# Altium PCB BTF16_2.PcbDoc (part 1 of 2)
Units mm, origin at the board's own origin, x right, y up, seen from the top; angles counter-clockwise.
Board outline 52.07 x 57.15 mm, 2 copper layers (Top Layer, Bottom Layer); 273 components, 134 nets, 1710 pads, 0 vias.
Unrouted connection lines stored in the file: 1540.
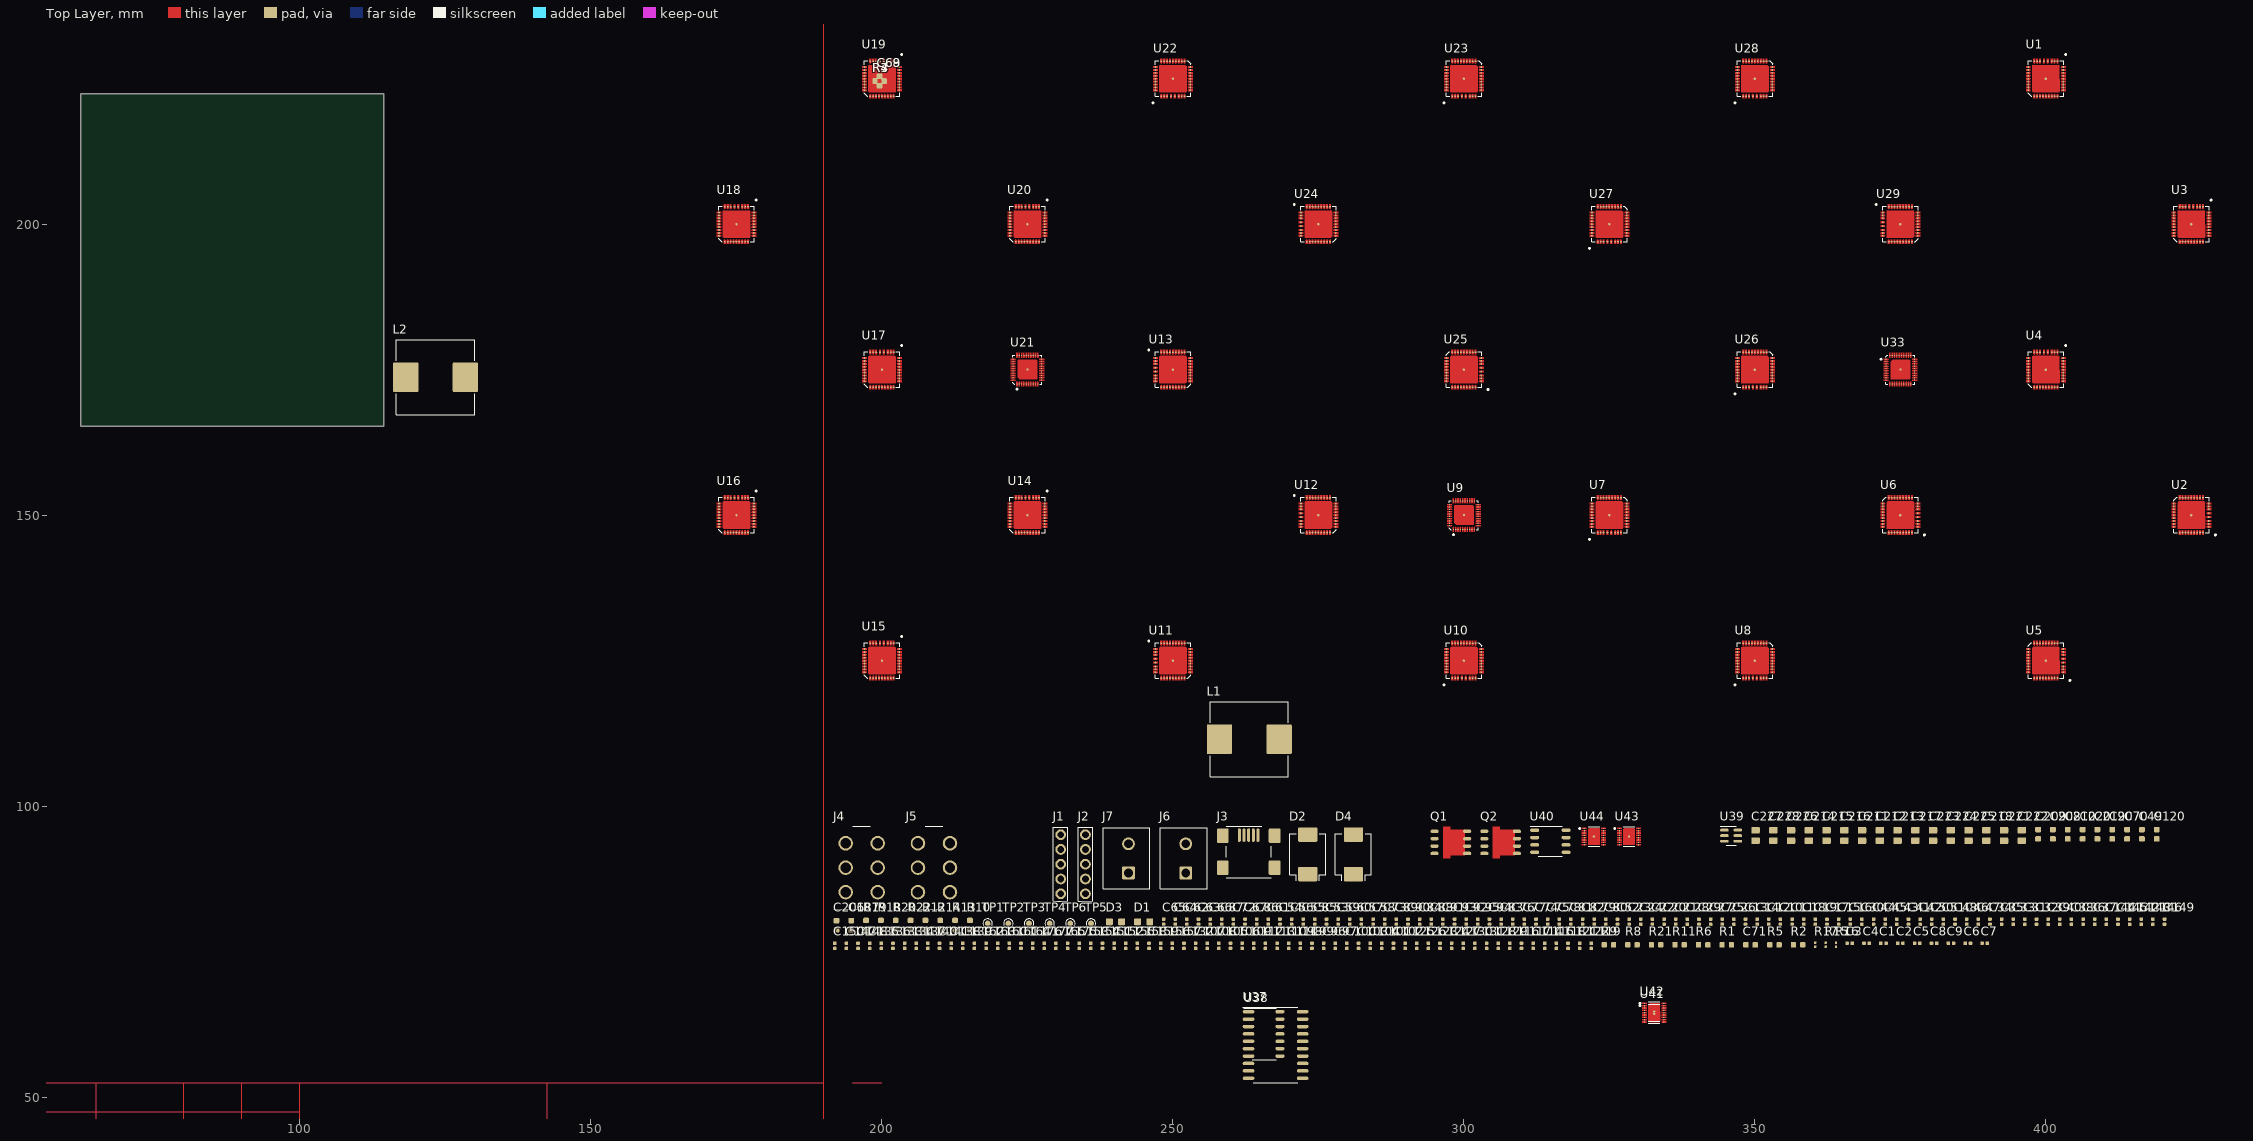
[diagram p0: Top Layer view]
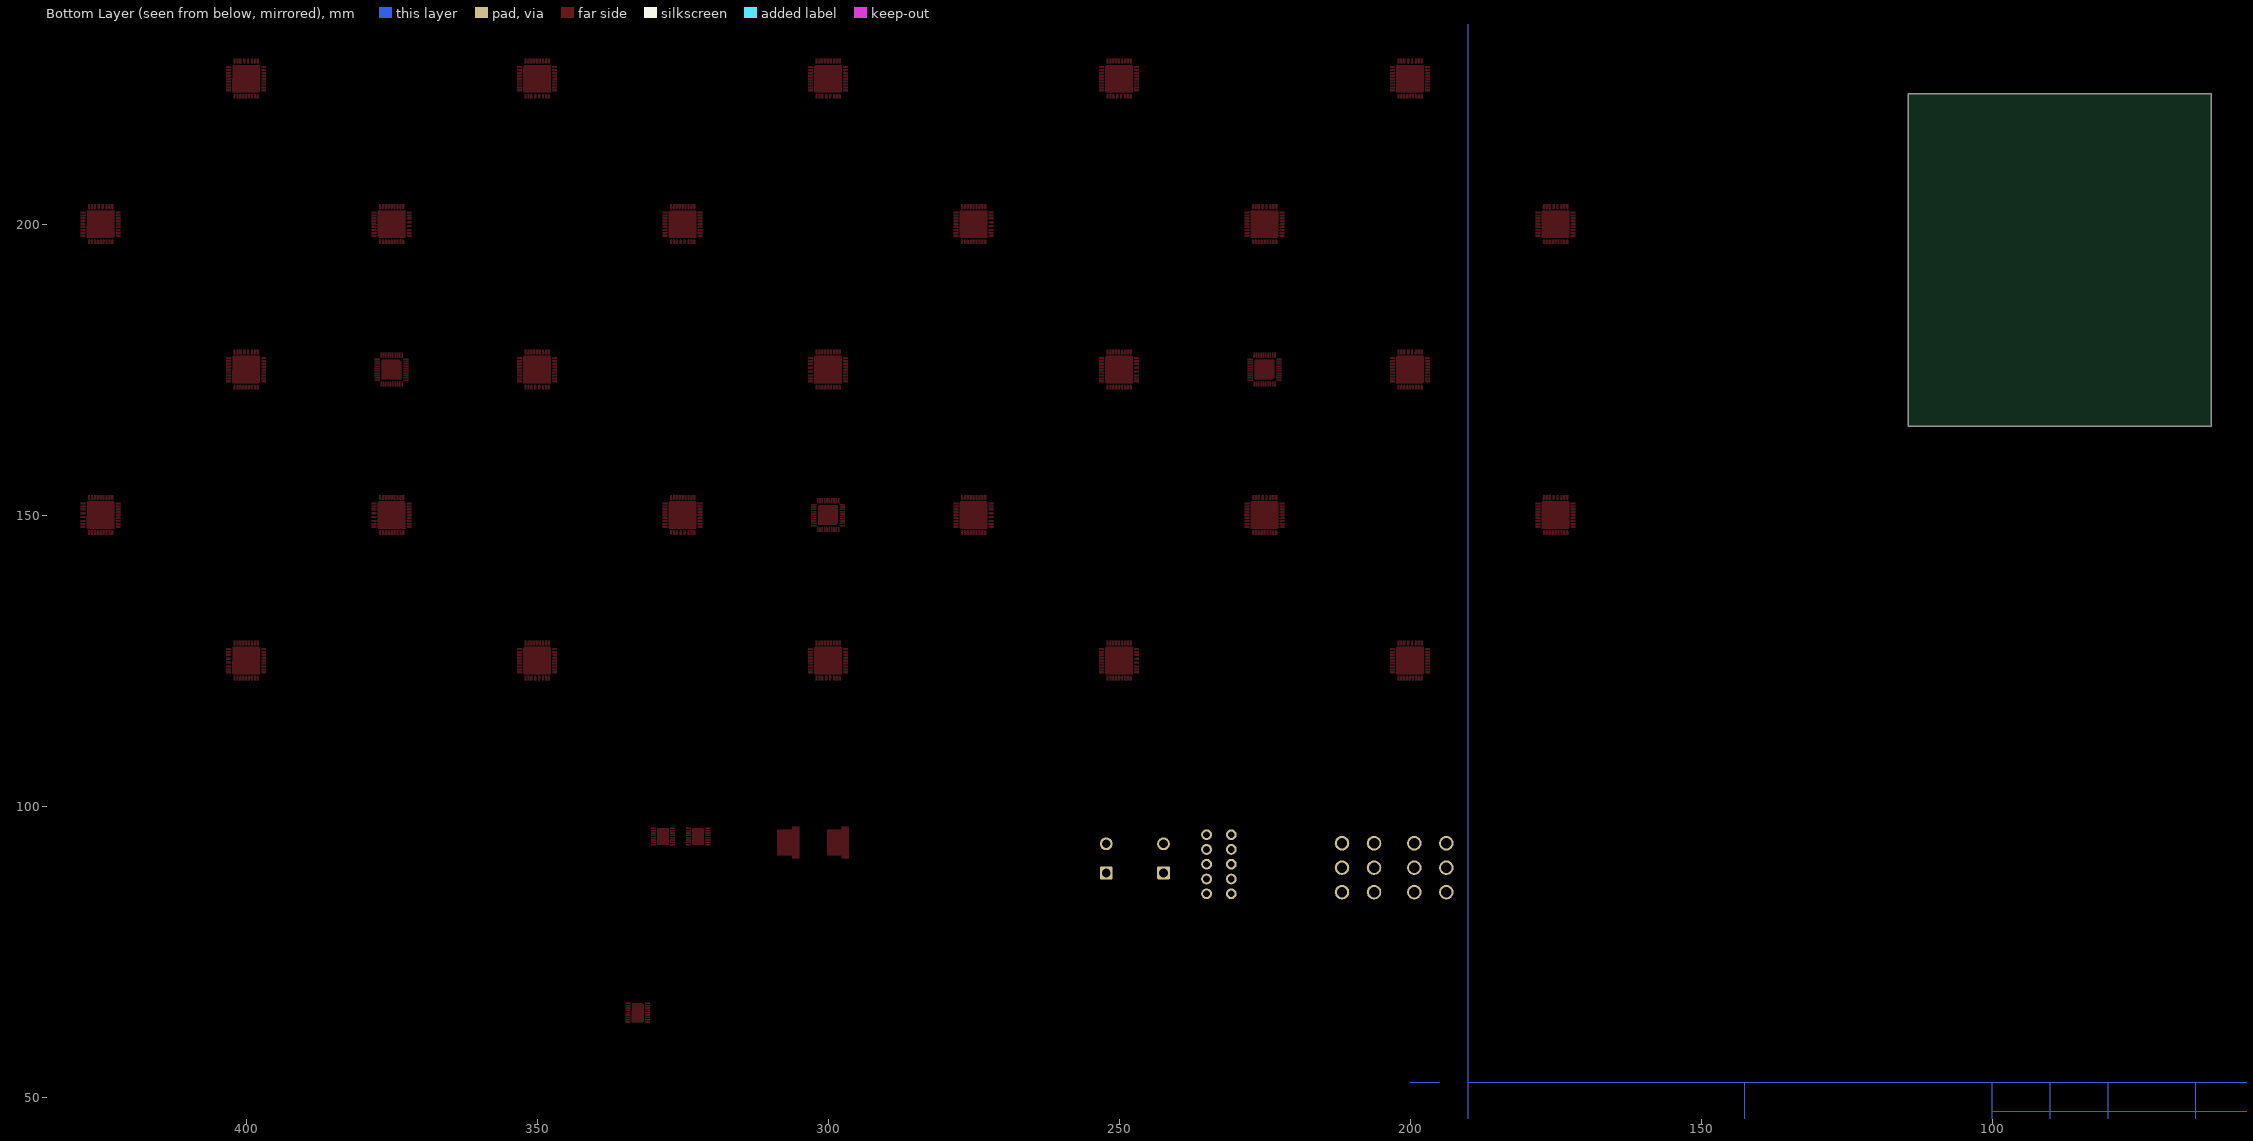
[diagram p1: Bottom Layer view, seen from below]

## Layer stack, top to bottom
Top Layer: signal copper 0.0356
Dielectric: core 0.32, FR-4, Dk 4.8
Bottom Layer: signal copper 0.0356

## Board outline
62.359,165.269 62.359,222.419 114.429,222.419 114.429,165.269

## Design rules (kind name [scope] priority, off if disabled: settings)
Clearance [All] p1: gap=0.2
ComponentClearance [All] p1: gap=0.5 collisioncheckmode=3 verticalgap=1 showdistances=FALSE
HoleSize [All] p1: absolutevalues=TRUE maxlimit=5 minlimit=0.1 maxpercent=80.000 minpercent=20.000
HoleToHoleClearance [All] p1: gap=0.4 allowstackedmicrovias=TRUE
MinimumAnnularRing [All] p1: minimumring=0.2
MinimumSolderMaskSliver [All] p1: minsoldermaskwidth=0.1
PlaneClearance [All] p1: clearance=0.5
PlaneConnect [All] p1: planeconnectstyle=Relief reliefexpansion=0.5 reliefentries=4 reliefconductorwidth=0.25 reliefairgap=0.25
PolygonConnect "Via Connect Style" [IsVia] p1: connectstyle=Direct reliefconductorwidth=0.254 reliefentries=4 polygonreliefangle="90 Angle" airgapwidth=0.254
PolygonConnect "Flooded Pads Top" [(InPadClass('Flooded Top')) vs OnLayer('L1')] p2: connectstyle=Direct reliefconductorwidth=0.254 reliefentries=4 polygonreliefangle="90 Angle" airgapwidth=0.254
PolygonConnect "Flooded Pads Bott" [(InPadClass('Flooded Bott')) vs OnLayer('L2')] p3: connectstyle=Direct reliefconductorwidth=0.254 reliefentries=4 polygonreliefangle="90 Angle" airgapwidth=0.254
PolygonConnect PolygonConnect_0.3 [All] p4: connectstyle=Relief reliefconductorwidth=0.3 reliefentries=4 polygonreliefangle="90 Angle" airgapwidth=0.3
RoutingCorners [All] p1: cornerstyle=45-Degree minsetback=1 maxsetback=2
RoutingVias [InNetClass('All Nets')] p1: holewidth=0.3 width=0.65 viastyle="Through Hole" minholewidth=0.25 minwidth=0.6 maxholewidth=0.5 maxwidth=0.95
SilkToSilkClearance [All] p1: silktosilkclearance=0
SilkToSolderMaskClearance SilkscreenOverComponentPads [IsPad] p1: minsilkscreentomaskgap=0.2 clearancetoexposedcopper=TRUE
SolderMaskExpansion [All] p1: expansion=0.1
Width "Power Nets" [InNetClass('Power')] p1: maxlimit=10 minlimit=0.5 preferedwidth=0.6
Width [InNetClass('All Nets')] p2: maxlimit=0.5 minlimit=0.2 preferedwidth=0.4
19 further rules are at their usual default settings.

## Classes and differential pairs
component class Block: C68 C69 C70 C71 Q1 Q2 R1 R2 R3 R4 R5 R6 R7 R8 R9 R10 TP1 TP2 TP3 TP4
component class U_ASIC_1: C72 C73 C74 C75 C76 C77 C78 C79 C80 C81 C82 C83 C84 C85 C86 C87 C88 C89 C90 C91 C92 C93 C94 C95 C96 C97 C98 C99 C100 C101 C102 C103 C104 C105 C106 C107 C108 C109 C110 C111 C112 C113 C114 C115 C116 C117 C118 C119 C120 C121 C122 C123 C124 C125 C126 C127 C128 C129 C130 C131 C132 C133 C134 C135 C136 C137 C138 U13 U14 U15 U16 U17 U18 U19 U20 U21 U22 U23 U24
component class U_ASIC_2: C139 C140 C141 C142 C143 C144 C145 C146 C147 C148 C149 C150 C151 C152 C153 C154 C155 C156 C157 C158 C159 C160 C161 C162 C163 C164 C165 C175 C176 C177 C187 U25 U26 U27 U28 U29 U33
component class U_ASIC_3: C1 C2 C3 C4 C5 C6 C7 C8 C9 C10 C11 C12 C13 C14 C15 C16 C17 C18 C19 C20 C21 C22 C23 C24 C25 C26 C27 C28 C29 C30 C31 C32 C33 C34 C35 C36 C37 C38 C39 C40 C41 C42 C43 C44 C45 C46 C47 C48 C49 C50 C51 C52 C53 C54 C55 C56 C57 C58 C59 C60 C61 C62 C63 C64 C65 C66 C67 U1 U2 U3 U4 U5 U6 U7 U8 U9 U10 U11 U12
component class U_MCU: C206 C207 C208 D1 D2 D3 D4 J1 J2 J3 J4 J5 J6 J7 R11 R12 R13 R14 R15 R16 R17 R18 TP5 TP6 U37 U38 U39 U40
component class U_POWER: C209 C210 C211 C212 C213 C214 C215 C216 C217 C218 C219 C220 C221 C222 C223 C224 C225 C226 C227 C228 L1 L2 R19 R20 R21 R22 U41 U42 U43 U44

## Components (designator, comment, footprint, x,y, rotation, side; value= is the part's Value field where it differs from the comment)
C1 "C" SMD_0402_CAPC1005X70N 372.1,76.446 r0 top
C2 "C" SMD_0402_CAPC1005X70N 375,76.446 r0 top
C3 "C" SMD_0402_CAPC1005X70N 366.3,76.446 r0 top
C4 "C" SMD_0402_CAPC1005X70N 369.2,76.446 r0 top
C5 "C" SMD_0402_CAPC1005X70N 377.9,76.446 r0 top
C6 "C" SMD_0402_CAPC1005X70N 386.6,76.446 r0 top
C7 "C" SMD_0402_CAPC1005X70N 389.5,76.446 r0 top
C8 "C" SMD_0402_CAPC1005X70N 380.8,76.446 r0 top
C9 "C" SMD_0402_CAPC1005X70N 383.7,76.446 r0 top
C10 "C" SMD_0402_CAPC1005X70N 354.4,80.146 r90 top
C11 "C" SMD_0402_CAPC1005X70N 356.4,80.146 r90 top
C12 "C" SMD_0402_CAPC1005X70N 352.4,80.146 r90 top
C13 "C" SMD_0402_CAPC1005X70N 348.4,80.146 r90 top
C14 "C" SMD_0402_CAPC1005X70N 350.4,80.146 r90 top
C15 "C" SMD_0402_CAPC1005X70N 364.4,80.146 r90 top
C16 "C" SMD_0402_CAPC1005X70N 366.4,80.146 r90 top
C17 "C" SMD_0402_CAPC1005X70N 362.4,80.146 r90 top
C18 "C" SMD_0402_CAPC1005X70N 358.4,80.146 r90 top
C19 "C" SMD_0402_CAPC1005X70N 360.4,80.146 r90 top
C20 "C" SMD_0402_CAPC1005X70N 334.4,80.146 r90 top
C21 "C" SMD_0402_CAPC1005X70N 336.4,80.146 r90 top
C22 "C" SMD_0402_CAPC1005X70N 332.4,80.146 r90 top
C23 "C" SMD_0402_CAPC1005X70N 328.4,80.146 r90 top
C24 "C" SMD_0402_CAPC1005X70N 330.4,80.146 r90 top
C25 "C" SMD_0402_CAPC1005X70N 344.4,80.146 r90 top
C26 "C" SMD_0402_CAPC1005X70N 346.4,80.146 r90 top
C27 "C" SMD_0402_CAPC1005X70N 342.4,80.146 r90 top
C28 "C" SMD_0402_CAPC1005X70N 338.4,80.146 r90 top
C29 "C" SMD_0402_CAPC1005X70N 340.4,80.146 r90 top
C30 "C" SMD_0402_CAPC1005X70N 368.4,80.146 r90 top
C31 "C" SMD_0402_CAPC1005X70N 396.4,80.146 r90 top
C32 "C" SMD_0402_CAPC1005X70N 398.4,80.146 r90 top
C33 "C" SMD_0402_CAPC1005X70N 394.4,80.146 r90 top
C34 "C" SMD_0402_CAPC1005X70N 390.4,80.146 r90 top
C35 "C" SMD_0402_CAPC1005X70N 392.4,80.146 r90 top
C36 "C" SMD_0402_CAPC1005X70N 406.4,80.146 r90 top
C37 "C" SMD_0402_CAPC1005X70N 408.4,80.146 r90 top
C38 "C" SMD_0402_CAPC1005X70N 404.4,80.146 r90 top
C39 "C" SMD_0402_CAPC1005X70N 400.4,80.146 r90 top
C40 "C" SMD_0402_CAPC1005X70N 402.4,80.146 r90 top
C41 "C" SMD_0402_CAPC1005X70N 376.4,80.146 r90 top
C42 "C" SMD_0402_CAPC1005X70N 378.4,80.146 r90 top
C43 "C" SMD_0402_CAPC1005X70N 374.4,80.146 r90 top
C44 "C" SMD_0402_CAPC1005X70N 370.4,80.146 r90 top
C45 "C" SMD_0402_CAPC1005X70N 372.4,80.146 r90 top
C46 "C" SMD_0402_CAPC1005X70N 386.4,80.146 r90 top
C47 "C" SMD_0402_CAPC1005X70N 388.4,80.146 r90 top
C48 "C" SMD_0402_CAPC1005X70N 384.4,80.146 r90 top
C49 "C" SMD_0603_CAPC1608X95N 416.52,95.171 r90 top
C50 "C" SMD_0402_CAPC1005X70N 380.4,80.146 r90 top
C51 "C" SMD_0402_CAPC1005X70N 382.4,80.146 r90 top
C52 "C" SMD_0402_CAPC1005X70N 326.4,80.146 r90 top
C53 "C" SMD_0402_CAPC1005X70N 276.4,80.146 r90 top
C54 "C" SMD_0402_CAPC1005X70N 268.4,80.146 r90 top
C55 "C" SMD_0402_CAPC1005X70N 272.4,80.146 r90 top
C56 "C" SMD_0402_CAPC1005X70N 270.4,80.146 r90 top
C57 "C" SMD_0402_CAPC1005X70N 282.4,80.146 r90 top
C58 "C" SMD_0402_CAPC1005X70N 284.4,80.146 r90 top
C59 "C" SMD_0402_CAPC1005X70N 278.4,80.146 r90 top
C60 "C" SMD_0402_CAPC1005X70N 280.4,80.146 r90 top
C61 "C" SMD_0402_CAPC1005X70N 266.4,80.146 r90 top
C62 "C" SMD_0402_CAPC1005X70N 252.4,80.146 r90 top
C63 "C" SMD_0402_CAPC1005X70N 254.4,80.146 r90 top
C64 "C" SMD_0402_CAPC1005X70N 250.4,80.146 r90 top
C65 "C" SMD_0402_CAPC1005X70N 248.4,80.146 r90 top
C66 "C" SMD_0402_CAPC1005X70N 256.4,80.146 r90 top
C67 "C" SMD_0402_CAPC1005X70N 262.4,80.146 r90 top
C68 "C" SMD_0603_CAPC1608X95N 199.6,224.6 r90 top
C69 "C" SMD_0603_CAPC1608X95N 199.6,224.6 r90 top
C70 "C" SMD_0603_CAPC1608X95N 413.97,95.171 r90 top
C71 "C" SMD_0603_CAPC1608X95N 349.275,76.171 r0 top
C72 "C" SMD_0402_CAPC1005X70N 260.4,80.146 r90 top
C73 "C" SMD_0402_CAPC1005X70N 286.4,80.146 r90 top
C74 "C" SMD_0402_CAPC1005X70N 312.4,80.146 r90 top
C75 "C" SMD_0402_CAPC1005X70N 314.4,80.146 r90 top
C76 "C" SMD_0402_CAPC1005X70N 308.4,80.146 r90 top
C77 "C" SMD_0402_CAPC1005X70N 310.4,80.146 r90 top
C78 "C" SMD_0402_CAPC1005X70N 316.4,80.146 r90 top
C79 "C" SMD_0402_CAPC1005X70N 322.4,80.146 r90 top
C80 "C" SMD_0402_CAPC1005X70N 324.4,80.146 r90 top
C81 "C" SMD_0402_CAPC1005X70N 318.4,80.146 r90 top
C82 "C" SMD_0402_CAPC1005X70N 320.4,80.146 r90 top
C83 "C" SMD_0402_CAPC1005X70N 306.4,80.146 r90 top
C84 "C" SMD_0402_CAPC1005X70N 292.4,80.146 r90 top
C85 "C" SMD_0402_CAPC1005X70N 274.4,80.146 r90 top
C86 "C" SMD_0402_CAPC1005X70N 264.4,80.146 r90 top
C87 "C" SMD_0402_CAPC1005X70N 258.4,80.146 r90 top
C88 "C" SMD_0402_CAPC1005X70N 294.4,80.146 r90 top
C89 "C" SMD_0402_CAPC1005X70N 288.4,80.146 r90 top
C90 "C" SMD_0402_CAPC1005X70N 290.4,80.146 r90 top
C91 "C" SMD_0402_CAPC1005X70N 296.4,80.146 r90 top
C92 "C" SMD_0402_CAPC1005X70N 300.4,80.146 r90 top
C93 "C" SMD_0402_CAPC1005X70N 298.4,80.146 r90 top
C94 "C" SMD_0402_CAPC1005X70N 304.4,80.146 r90 top
C95 "C" SMD_0402_CAPC1005X70N 302.4,80.146 r90 top
C96 "C" SMD_0402_CAPC1005X70N 275.9,75.996 r90 top
C97 "C" SMD_0402_CAPC1005X70N 277.9,75.996 r90 top
C98 "C" SMD_0402_CAPC1005X70N 271.9,75.996 r90 top
C99 "C" SMD_0402_CAPC1005X70N 273.9,75.996 r90 top
C100 "C" SMD_0402_CAPC1005X70N 279.9,75.996 r90 top
C101 "C" SMD_0402_CAPC1005X70N 285.9,75.996 r90 top
C102 "C" SMD_0402_CAPC1005X70N 287.9,75.996 r90 top
C103 "C" SMD_0402_CAPC1005X70N 281.9,75.996 r90 top
C104 "C" SMD_0402_CAPC1005X70N 283.9,75.996 r90 top
C105 "C" SMD_0402_CAPC1005X70N 257.9,75.996 r90 top
C106 "C" SMD_0402_CAPC1005X70N 259.9,75.996 r90 top
C107 "C" SMD_0402_CAPC1005X70N 253.9,75.996 r90 top
C108 "C" SMD_0402_CAPC1005X70N 255.9,75.996 r90 top
C109 "C" SMD_0402_CAPC1005X70N 261.9,75.996 r90 top
C110 "C" SMD_0402_CAPC1005X70N 267.9,75.996 r90 top
C111 "C" SMD_0402_CAPC1005X70N 269.9,75.996 r90 top
C112 "C" SMD_0402_CAPC1005X70N 263.9,75.996 r90 top
C113 "C" SMD_0402_CAPC1005X70N 265.9,75.996 r90 top
C114 "C" SMD_0402_CAPC1005X70N 311.9,75.996 r90 top
C115 "C" SMD_0402_CAPC1005X70N 313.9,75.996 r90 top
C116 "C" SMD_0402_CAPC1005X70N 307.9,75.996 r90 top
C117 "C" SMD_0402_CAPC1005X70N 309.9,75.996 r90 top
C118 "C" SMD_0402_CAPC1005X70N 315.9,75.996 r90 top
C119 "C" SMD_0402_CAPC1005X70N 321.9,75.996 r90 top
C120 "C" SMD_0603_CAPC1608X95N 419.07,95.171 r90 top
C121 "C" SMD_0402_CAPC1005X70N 317.9,75.996 r90 top
C122 "C" SMD_0402_CAPC1005X70N 319.9,75.996 r90 top
C123 "C" SMD_0402_CAPC1005X70N 293.9,75.996 r90 top
C124 "C" SMD_0402_CAPC1005X70N 295.9,75.996 r90 top
C125 "C" SMD_0402_CAPC1005X70N 289.9,75.996 r90 top
C126 "C" SMD_0402_CAPC1005X70N 291.9,75.996 r90 top
C127 "C" SMD_0402_CAPC1005X70N 297.9,75.996 r90 top
C128 "C" SMD_0402_CAPC1005X70N 303.9,75.996 r90 top
C129 "C" SMD_0402_CAPC1005X70N 305.9,75.996 r90 top
C130 "C" SMD_0402_CAPC1005X70N 299.9,75.996 r90 top
C131 "C" SMD_0402_CAPC1005X70N 301.9,75.996 r90 top
C132 "C" SMD_0402_CAPC1005X70N 251.9,75.996 r90 top
C133 "C" SMD_0402_CAPC1005X70N 201.9,75.996 r90 top
C134 "C" SMD_0402_CAPC1005X70N 203.9,75.996 r90 top
C135 "C" SMD_0402_CAPC1005X70N 197.9,75.996 r90 top
C136 "C" SMD_0402_CAPC1005X70N 199.9,75.996 r90 top
C137 "C" SMD_0402_CAPC1005X70N 205.9,75.996 r90 top
C138 "C" SMD_0402_CAPC1005X70N 211.9,75.996 r90 top
C139 "C" SMD_0402_CAPC1005X70N 213.9,75.996 r90 top
C140 "C" SMD_0402_CAPC1005X70N 207.9,75.996 r90 top
C141 "C" SMD_0402_CAPC1005X70N 209.9,75.996 r90 top
C142 "C" SMD_0402_CAPC1005X70N 414.4,80.146 r90 top
C143 "C" SMD_0402_CAPC1005X70N 416.4,80.146 r90 top
C144 "C" SMD_0402_CAPC1005X70N 410.4,80.146 r90 top
C145 "C" SMD_0402_CAPC1005X70N 412.4,80.146 r90 top
C146 "C" SMD_0402_CAPC1005X70N 418.4,80.146 r90 top
C147 "C" SMD_0402_CAPC1005X70N 193.9,75.996 r90 top
C148 "C" SMD_0402_CAPC1005X70N 195.9,75.996 r90 top
C149 "C" SMD_0402_CAPC1005X70N 420.4,80.146 r90 top
C150 "C" SMD_0402_CAPC1005X70N 191.9,75.996 r90 top
C151 "C" SMD_0402_CAPC1005X70N 237.9,75.996 r90 top
C152 "C" SMD_0402_CAPC1005X70N 239.9,75.996 r90 top
C153 "C" SMD_0402_CAPC1005X70N 233.9,75.996 r90 top
C154 "C" SMD_0402_CAPC1005X70N 235.9,75.996 r90 top
C155 "C" SMD_0402_CAPC1005X70N 241.9,75.996 r90 top
C156 "C" SMD_0402_CAPC1005X70N 247.9,75.996 r90 top
C157 "C" SMD_0402_CAPC1005X70N 249.9,75.996 r90 top
C158 "C" SMD_0402_CAPC1005X70N 243.9,75.996 r90 top
C159 "C" SMD_0402_CAPC1005X70N 245.9,75.996 r90 top
C160 "C" SMD_0402_CAPC1005X70N 219.9,75.996 r90 top
C161 "C" SMD_0402_CAPC1005X70N 221.9,75.996 r90 top
C162 "C" SMD_0402_CAPC1005X70N 215.9,75.996 r90 top
C163 "C" SMD_0402_CAPC1005X70N 217.9,75.996 r90 top
C164 "C" SMD_0402_CAPC1005X70N 223.9,75.996 r90 top
C165 "C" SMD_0402_CAPC1005X70N 229.9,75.996 r90 top
C175 "C" SMD_0402_CAPC1005X70N 231.9,75.996 r90 top
C176 "C" SMD_0402_CAPC1005X70N 225.9,75.996 r90 top
C177 "C" SMD_0402_CAPC1005X70N 227.9,75.996 r90 top
C187 "C" SMD_0603_CAPC1608X95N 194.725,79.521 r90 top
C206 "C" SMD_0603_CAPC1608X95N 192.175,79.521 r90 top
C207 "C" SMD_0603_CAPC1608X80N 411.42,95.171 r90 top
C208 "C" SMD_0603_CAPC1608X95N 401.22,95.171 r90 top
C209 "C" SMD_0603_CAPC1608X95N 398.67,95.171 r90 top
C210 "C" SMD_0603_CAPC1608X95N 403.77,95.171 r90 top
C211 "C" SMD_0805_CAPC2012X145N 368.42,94.971 r90 top
C212 "C" SMD_0805_CAPC2012X145N 371.47,94.971 r90 top
C213 "C" SMD_0805_CAPC2012X145N 374.52,94.971 r90 top
C214 "C" SMD_0805_CAPC2012X145N 359.27,94.971 r90 top
C215 "C" SMD_0805_CAPC2012X145N 362.32,94.971 r90 top
C216 "C" SMD_0805_CAPC2012X145N 365.37,94.971 r90 top
C217 "C" SMD_0805_CAPC2012X145N 377.57,94.971 r90 top
C218 "C" SMD_0805_CAPC2012X145N 389.77,94.971 r90 top
C219 "C" SMD_0603_CAPC1608X95N 408.87,95.171 r90 top
C220 "C" SMD_0603_CAPC1608X95N 406.32,95.171 r90 top
C221 "C" SMD_0805_CAPC2012X145N 392.82,94.971 r90 top
C222 "C" SMD_0805_CAPC2012X145N 395.87,94.971 r90 top
C223 "C" SMD_0805_CAPC2012X145N 380.62,94.971 r90 top
C224 "C" SMD_0805_CAPC2012X145N 383.67,94.971 r90 top
C225 "C" SMD_0805_CAPC2012X145N 386.72,94.971 r90 top
C226 "C" SMD_0805_CAPC2012X145N 356.22,94.971 r90 top
C227 "C" SMD_0805_CAPC2012X145N 350.12,94.971 r90 top
C228 "C" SMD_0805_CAPC2012X145N 353.17,94.971 r90 top
D1 "LED" SMD_LED2012X100N 244.975,80.121 r0 top
D2 "D_TVS_UNI" SMD_DO214AC_SMC 273.17,91.721 r90 top
D3 "LED" SMD_LED2012X100N 240.125,80.121 r0 top
D4 "D_TVS_UNI" SMD_DO214AC_SMC 281.02,91.721 r90 top
J1 "CON_5PINS" PTH_HDRV05W64P254_1X05 230.72,90.021 r90 top
J2 "CON_5PINS" PTH_HDRV05W64P254_1X05 234.97,90.021 r90 top
J3 "CON_USB_MINI_1" SMD_CON-CVILUX-CU04-SCM15B0 263.02,92.421 r0 top
J4 "CON_2ROWS_6PINS_1" PTH_CON_WR-MRC4-6P_S 196.525,89.421 r90 top
J5 "CON_2ROWS_6PINS_1" PTH_CON_WR-MRC4-6P_S 208.948,89.421 r90 top
J6 "CON_2PINS" PTH_HDRV02W11060P500_1X02 251.87,91.021 r90 top
J7 "CON_2PINS" PTH_HDRV02W11060P500_1X02 242.02,91.021 r90 top
L1 "470nH" SMT_INDM135130X800N 263.125,111.5 r0 top
L2 "470nH" SMT_INDM135130X800N 123.3,173.7 r0 top
Q1 "MOS_N_D1_S1S2S3G4D5D6D7D8" SMD_SOIC127P600X110-9AN 297.77,93.771 r0 top
Q2 "MOS_N_D1_S1S2S3G4D5D6D7D8" SMD_SOIC127P600X110-9AN 306.32,93.771 r0 top
R1 "R" SMD_0603_RESC1608X55N 345.175,76.171 r0 top
R2 "R" SMD_0603_RESC1608X55N 357.425,76.171 r0 top
R3 "R" SMD_0603_RESC1608X55N 199.6,224.6 r0 top
R4 "R" SMD_0603_RESC1608X55N 199.6,224.6 r0 top
R5 "R" SMD_0603_RESC1608X55N 353.375,76.171 r0 top
R6 "R" SMD_0603_RESC1608X55N 341.125,76.171 r0 top
R7 "R" SMD_0603_RESC1608X55N 199.6,224.6 r0 top
R8 "R" SMD_0603_RESC1608X55N 328.975,76.171 r0 top
R9 "R" SMD_0603_RESC1608X55N 324.925,76.171 r0 top
R10 "R" SMD_0603_RESC1608X55N 215.125,79.571 r90 top
R11 "R" SMD_0603_RESC1608X55N 337.075,76.171 r0 top
R12 "R" SMD_0603_RESC1608X55N 207.475,79.571 r90 top
R13 "R" SMD_0603_RESC1608X55N 212.575,79.571 r90 top
R14 "R" SMD_0603_RESC1608X55N 210.025,79.571 r90 top
R15 "R" SMD_0201_RESC0603X26N 362.15,76.196 r90 top
R16 "R" SMD_0201_RESC0603X26N 363.95,76.196 r90 top
R17 "R" SMD_0201_RESC0603X26N 360.35,76.196 r90 top
R18 "R" SMD_0603_RESC1608X55N 199.825,79.571 r90 top
R19 "R" SMD_0603_RESC1608X55N 197.275,79.571 r90 top
R20 "R" SMD_0603_RESC1608X55N 202.375,79.571 r90 top
R21 "R" SMD_0603_RESC1608X55N 333.025,76.171 r0 top
R22 "R" SMD_0603_RESC1608X55N 204.925,79.571 r90 top
TP1 "TEST_POINT_1" SMD_TP_100-254 218.175,79.821 r0 top
TP2 "TEST_POINT_1" SMD_TP_100-254 221.725,79.821 r0 top
TP3 "TEST_POINT_1" SMD_TP_100-254 225.275,79.821 r0 top
TP4 "TEST_POINT_1" SMD_TP_100-254 228.825,79.821 r0 top
TP5 "TEST_POINT_1" SMD_TP_100-254 235.925,79.821 r0 top
TP6 "TEST_POINT_1" SMD_TP_100-254 232.375,79.821 r0 top
U1 "IC_BITFURY16" SMD_QFN50P600X600X175-36AN 400,225 r90 top
U2 "IC_BITFURY16" SMD_QFN50P600X600X175-36AN 425,150 r0 top
U3 "IC_BITFURY16" SMD_QFN50P600X600X175-36AN 425,200 r90 top
U4 "IC_BITFURY16" SMD_QFN50P600X600X175-36AN 400,175 r90 top
U5 "IC_BITFURY16" SMD_QFN50P600X600X175-36AN 400,125 r0 top
U6 "IC_BITFURY16" SMD_QFN50P600X600X175-36AN 375,150 r0 top
U7 "IC_BITFURY16" SMD_QFN50P600X600X175-36AN 325,150 r270 top
U8 "IC_BITFURY16" SMD_QFN50P600X600X175-36AN 350,125 r270 top
U9 "IC_BTC250" SMD_QFN40P500X500X80-41N 300,150 r90 top
U10 "IC_BITFURY16" SMD_QFN50P600X600X175-36AN 300,125 r270 top
U11 "IC_BITFURY16" SMD_QFN50P600X600X175-36AN 250,125 r180 top
U12 "IC_BITFURY16" SMD_QFN50P600X600X175-36AN 275,150 r180 top
U13 "IC_BITFURY16" SMD_QFN50P600X600X175-36AN 250,175 r180 top
U14 "IC_BITFURY16" SMD_QFN50P600X600X175-36AN 225,150 r90 top
U15 "IC_BITFURY16" SMD_QFN50P600X600X175-36AN 200,125 r90 top
U16 "IC_BITFURY16" SMD_QFN50P600X600X175-36AN 175,150 r90 top
U17 "IC_BITFURY16" SMD_QFN50P600X600X175-36AN 200,175 r90 top
U18 "IC_BITFURY16" SMD_QFN50P600X600X175-36AN 175,200 r90 top
U19 "IC_BITFURY16" SMD_QFN50P600X600X175-36AN 200,225 r90 top
U20 "IC_BITFURY16" SMD_QFN50P600X600X175-36AN 225,200 r90 top
U21 "IC_BTC250" SMD_QFN40P500X500X80-41N 225,175 r90 top
U22 "IC_BITFURY16" SMD_QFN50P600X600X175-36AN 250,225 r270 top
U23 "IC_BITFURY16" SMD_QFN50P600X600X175-36AN 300,225 r270 top
U24 "IC_BITFURY16" SMD_QFN50P600X600X175-36AN 275,200 r180 top
U25 "IC_BITFURY16" SMD_QFN50P600X600X175-36AN 300,175 r0 top
U26 "IC_BITFURY16" SMD_QFN50P600X600X175-36AN 350,175 r270 top
U27 "IC_BITFURY16" SMD_QFN50P600X600X175-36AN 325,200 r270 top
U28 "IC_BITFURY16" SMD_QFN50P600X600X175-36AN 350,225 r270 top
U29 "IC_BITFURY16" SMD_QFN50P600X600X175-36AN 375,200 r180 top
U33 "IC_BTC250" SMD_QFN40P500X500X80-41N 375,175 r0 top
U37 "IC_PIC16F1459" SMD_SOIC127P1030X265-20N 267.65,58.955 r0 top
U38 "IC_PIC16F1454TESL-SO14" SMD_SOIC127P600X175-14N 265.7,60.86 r0 top
U39 "D_TVS_QUAD_C1A2C3C4A5C6" SMD_SOT457_SOT95P275X110-6N 345.92,94.921 r0 top
U40 "IC_LM2931AD-5.0R2G_SO-8" SMD_SOIC127P600X175-8N 314.87,93.971 r0 top
U41 "CSD95379Q3M" SMD_SON40P330X330X100-17N 332.7,64.3 r0 top
U42 "CSD95379Q3M" SMD_SON40P330X330X100-17N 332.7,64.7 r0 top
U43 "CSD95379Q3M" SMD_SON40P330X330X100-17N 328.37,94.771 r0 top
U44 "CSD95379Q3M" SMD_SON40P330X330X100-17N 322.345,94.771 r0 top

## Footprints (in the part's own frame and the unit in brackets; to place one, negate y for a bottom-side part, rotate by r counter-clockwise, add the part's x,y. Pads: shape width x height; smd on the part's side, far side on the other; paste and mask are expansions set on the pad)
PTH_CON_WR-MRC4-6P_S [mm]
  round 2.5 hole 1.8 mask+0.075: 1(-4.2,2.75) 2(0,2.75) 3(4.2,2.75) 4(-4.2,-2.75) 5(0,-2.75) 6(4.2,-2.75)
  silkscreen extent -7.1,-1.5 7.1,4.85, body extent -7.25,-6.3 6.95,4.8, height 12.8
PTH_HDRV02W11060P500_1X02 [mm]
  rrect18% 2.2x2.2 / inner round 2.2 / far side rrect18% 2.2x2.2 hole 1.5 mask+0.075: 1(-2.5,-0.35)
  round 2.2 hole 1.5 mask+0.075: 2(2.5,-0.35)
  silkscreen extent -5.25,-4 5.25,4, body extent -5.25,-4 5.25,4, height 11
PTH_HDRV05W64P254_1X05 [mm]
  round 1.85 hole 1.15 mask+0.075: 1(-5.08,0) 2(-2.54,0) 3(0,0) 4(2.54,0) 5(5.08,0)
  silkscreen extent -6.35,-1.25 6.35,1.25, body extent -6.35,-1.25 6.35,1.25, height 8
SMD_0201_RESC0603X26N [mm]
  rrect48% 0.44x0.42 smd mask+0.075: 1(-0.34,0) 2(0.34,0)
  body extent -0.3,-0.15 0.3,0.15, height 0.26
SMD_0402_CAPC1005X70N [mm]
  rrect48% 0.62x0.62 smd mask+0.075: 1(-0.45,0) 2(0.45,0)
  body extent -0.5,-0.25 0.5,0.25, height 0.7
SMD_0603_CAPC1608X80N [mm]
  rrect42% 0.95x1 smd mask+0.075: 1(-0.8,0) 2(0.8,0)
  body extent -0.8,-0.4 0.8,0.4, height 0.8
SMD_0603_CAPC1608X95N [mm]
  rrect42% 0.95x1 smd mask+0.075: 1(-0.8,0) 2(0.8,0)
  body extent -0.8,-0.4 0.8,0.4, height 0.95
SMD_0603_RESC1608X55N [mm]
  rrect44% 0.9x1 smd mask+0.075: 1(-0.8,0) 2(0.8,0)
  body extent -0.8,-0.4 0.8,0.4, height 0.55
SMD_0805_CAPC2012X145N [mm]
  rrect35% 1.15x1.45 smd mask+0.075: 1(-0.9,0) 2(0.9,0)
  body extent -1,-0.6 1,0.6, height 1.45
SMD_CON-CVILUX-CU04-SCM15B0 [mm]
  rrect80% 0.5x2.3 smd mask+0.075: 1(-1.6,2.6) 2(-0.8,2.6) 3(0,2.6) 4(0.8,2.6) 5(1.6,2.6)
  rrect20% 2x2.5 smd mask+0.075: 6(4.45,2.5) 7(4.45,-3) 8(-4.45,-3) 9(-4.45,2.5)
  round 0.5 hole 0.9 unplated mask+0.275: 10(-2.2,0) 11(2.2,0)
  silkscreen extent -3.85,-4.7 3.85,4.15, body extent -4.95,-5.9 4.95,3.1, height 3.95
SMD_DO214AC_SMC [mm]
  rrect16% 2.5x3.3 smd mask+0.075: 1(-3.4,0) 2(3.4,0)
  silkscreen extent -4.5,-3.1 3.55,3.1, body extent -4.06,-3.11 4.07,3.11, height 2.62
SMD_LED2012X100N [mm]
  rrect33% 1.2x1.2 smd mask+0.075: 1(-1.05,0) 2(1.05,0)
  body extent -1,-0.62 1,0.63, height 0.98
SMD_QFN40P500X500X80-41N [mm]
  round 0.2 smd: 1(-2.45,1.8) 2(-2.45,1.4) 3(-2.45,1) 4(-2.45,0.6) 5(-2.45,0.2) 6(-2.45,-0.2) 7(-2.45,-0.6) 8(-2.45,-1) 9(-2.45,-1.4) 10(-2.45,-1.8) 11(-1.8,-2.45) 12(-1.4,-2.45) 13(-1,-2.45) 14(-0.6,-2.45) 15(-0.2,-2.45) 16(0.2,-2.45) 17(0.6,-2.45) 18(1,-2.45) 19(1.4,-2.45) 20(1.8,-2.45) 21(2.45,-1.8) 22(2.45,-1.4) 23(2.45,-1) 24(2.45,-0.6) 25(2.45,-0.2) 26(2.45,0.2) 27(2.45,0.6) 28(2.45,1) 29(2.45,1.4) 30(2.45,1.8) 31(1.8,2.45) 32(1.4,2.45) 33(1,2.45) 34(0.6,2.45) 35(0.2,2.45) 36(-0.2,2.45) 37(-0.6,2.45) 38(-1,2.45) 39(-1.4,2.45) 40(-1.8,2.45)
  rect 0.35x0.35 smd: 41(0,0)
  Top Layer region: -1.675,1.325 -1.325,1.675 1.475,1.679 1.553,1.663 1.619,1.619 1.663,1.553 1.679,1.475 1.675,1.475 1.679,-1.475 1.663,-1.553 1.619,-1.619 1.553,-1.663 1.475,-1.679 1.475,-1.675 -1.475,-1.679 -1.553,-1.663 -1.619,-1.619 -1.663,-1.553 -1.679,-1.475 -1.675,-1.475
  Top Layer region: -1.7,2.875 -1.692,2.125 -1.723,2.048 -1.8,2.017 -1.877,2.048 -1.908,2.125 -1.9,2.125 -1.9,2.875
  Top Layer region: -1.3,2.875 -1.292,2.125 -1.323,2.048 -1.4,2.017 -1.477,2.048 -1.508,2.125 -1.5,2.125 -1.5,2.875
  Top Layer region: -0.9,2.875 -0.892,2.125 -0.923,2.048 -1,2.017 -1.077,2.048 -1.108,2.125 -1.1,2.125 -1.1,2.875
  Top Layer region: -0.5,2.875 -0.492,2.125 -0.523,2.048 -0.6,2.017 -0.677,2.048 -0.708,2.125 -0.7,2.125 -0.7,2.875
  Top Layer region: -0.1,2.875 -0.092,2.125 -0.123,2.048 -0.2,2.017 -0.277,2.048 -0.308,2.125 -0.3,2.125 -0.3,2.875
  Top Layer region: 0.3,2.875 0.308,2.125 0.277,2.048 0.2,2.017 0.123,2.048 0.092,2.125 0.1,2.125 0.1,2.875
  Top Layer region: 0.7,2.875 0.708,2.125 0.677,2.048 0.6,2.017 0.523,2.048 0.492,2.125 0.5,2.125 0.5,2.875
  Top Layer region: 1.1,2.875 1.108,2.125 1.077,2.048 1,2.017 0.923,2.048 0.892,2.125 0.9,2.125 0.9,2.875
  Top Layer region: 1.5,2.875 1.508,2.125 1.477,2.048 1.4,2.017 1.323,2.048 1.292,2.125 1.3,2.125 1.3,2.875
  Top Layer region: 1.9,2.875 1.908,2.125 1.877,2.048 1.8,2.017 1.723,2.048 1.692,2.125 1.7,2.125 1.7,2.875
  Top Layer region: 2.875,1.7 2.125,1.692 2.048,1.723 2.017,1.8 2.048,1.877 2.125,1.908 2.125,1.9 2.875,1.9
  Top Layer region: 2.875,1.3 2.125,1.292 2.048,1.323 2.017,1.4 2.048,1.477 2.125,1.508 2.125,1.5 2.875,1.5
  Top Layer region: 2.875,0.9 2.125,0.892 2.048,0.923 2.017,1 2.048,1.077 2.125,1.108 2.125,1.1 2.875,1.1
  Top Layer region: 2.875,0.5 2.125,0.492 2.048,0.523 2.017,0.6 2.048,0.677 2.125,0.708 2.125,0.7 2.875,0.7
  Top Layer region: 2.875,0.1 2.125,0.092 2.048,0.123 2.017,0.2 2.048,0.277 2.125,0.308 2.125,0.3 2.875,0.3
  Top Layer region: 2.875,-0.3 2.125,-0.308 2.048,-0.277 2.017,-0.2 2.048,-0.123 2.125,-0.092 2.125,-0.1 2.875,-0.1
  Top Layer region: 2.875,-0.7 2.125,-0.708 2.048,-0.677 2.017,-0.6 2.048,-0.523 2.125,-0.492 2.125,-0.5 2.875,-0.5
  Top Layer region: 2.875,-1.1 2.125,-1.108 2.048,-1.077 2.017,-1 2.048,-0.923 2.125,-0.892 2.125,-0.9 2.875,-0.9
  Top Layer region: 2.875,-1.5 2.125,-1.508 2.048,-1.477 2.017,-1.4 2.048,-1.323 2.125,-1.292 2.125,-1.3 2.875,-1.3
  Top Layer region: 2.875,-1.9 2.125,-1.908 2.048,-1.877 2.017,-1.8 2.048,-1.723 2.125,-1.692 2.125,-1.7 2.875,-1.7
  Top Layer region: 1.7,-2.875 1.692,-2.125 1.723,-2.048 1.8,-2.017 1.877,-2.048 1.908,-2.125 1.9,-2.125 1.9,-2.875
  Top Layer region: 1.3,-2.875 1.292,-2.125 1.323,-2.048 1.4,-2.017 1.477,-2.048 1.508,-2.125 1.5,-2.125 1.5,-2.875
  Top Layer region: 0.9,-2.875 0.892,-2.125 0.923,-2.048 1,-2.017 1.077,-2.048 1.108,-2.125 1.1,-2.125 1.1,-2.875
  Top Layer region: 0.5,-2.875 0.492,-2.125 0.523,-2.048 0.6,-2.017 0.677,-2.048 0.708,-2.125 0.7,-2.125 0.7,-2.875
  Top Layer region: 0.1,-2.875 0.092,-2.125 0.123,-2.048 0.2,-2.017 0.277,-2.048 0.308,-2.125 0.3,-2.125 0.3,-2.875
  Top Layer region: -0.3,-2.875 -0.308,-2.125 -0.277,-2.048 -0.2,-2.017 -0.123,-2.048 -0.092,-2.125 -0.1,-2.125 -0.1,-2.875
  Top Layer region: -0.7,-2.875 -0.708,-2.125 -0.677,-2.048 -0.6,-2.017 -0.523,-2.048 -0.492,-2.125 -0.5,-2.125 -0.5,-2.875
  Top Layer region: -1.1,-2.875 -1.108,-2.125 -1.077,-2.048 -1,-2.017 -0.923,-2.048 -0.892,-2.125 -0.9,-2.125 -0.9,-2.875
  Top Layer region: -1.5,-2.875 -1.508,-2.125 -1.477,-2.048 -1.4,-2.017 -1.323,-2.048 -1.292,-2.125 -1.3,-2.125 -1.3,-2.875
  Top Layer region: -1.9,-2.875 -1.908,-2.125 -1.877,-2.048 -1.8,-2.017 -1.723,-2.048 -1.692,-2.125 -1.7,-2.125 -1.7,-2.875
  Top Layer region: -2.875,-1.7 -2.125,-1.692 -2.048,-1.723 -2.017,-1.8 -2.048,-1.877 -2.125,-1.908 -2.125,-1.9 -2.875,-1.9
  Top Layer region: -2.875,-1.3 -2.125,-1.292 -2.048,-1.323 -2.017,-1.4 -2.048,-1.477 -2.125,-1.508 -2.125,-1.5 -2.875,-1.5
  Top Layer region: -2.875,-0.9 -2.125,-0.892 -2.048,-0.923 -2.017,-1 -2.048,-1.077 -2.125,-1.108 -2.125,-1.1 -2.875,-1.1
  Top Layer region: -2.875,-0.5 -2.125,-0.492 -2.048,-0.523 -2.017,-0.6 -2.048,-0.677 -2.125,-0.708 -2.125,-0.7 -2.875,-0.7
  Top Layer region: -2.875,-0.1 -2.125,-0.092 -2.048,-0.123 -2.017,-0.2 -2.048,-0.277 -2.125,-0.308 -2.125,-0.3 -2.875,-0.3
  Top Layer region: -2.875,0.3 -2.125,0.308 -2.048,0.277 -2.017,0.2 -2.048,0.123 -2.125,0.092 -2.125,0.1 -2.875,0.1
  Top Layer region: -2.875,0.7 -2.125,0.708 -2.048,0.677 -2.017,0.6 -2.048,0.523 -2.125,0.492 -2.125,0.5 -2.875,0.5
  Top Layer region: -2.875,1.1 -2.125,1.108 -2.048,1.077 -2.017,1 -2.048,0.923 -2.125,0.892 -2.125,0.9 -2.875,0.9
  Top Layer region: -2.875,1.5 -2.125,1.508 -2.048,1.477 -2.017,1.4 -2.048,1.323 -2.125,1.292 -2.125,1.3 -2.875,1.3
  Top Layer region: -2.875,1.9 -2.125,1.908 -2.048,1.877 -2.017,1.8 -2.048,1.723 -2.125,1.692 -2.125,1.7 -2.875,1.7
  silkscreen extent -3.47,-2.5 2.5,2.5
SMD_QFN50P600X600X175-36AN [mm]
  round 0.3 smd mask-0.15: 1(-3,2) 2(-3,1.5) 3(-3,1) 4(-3,0.5) 5(-3,0) 6(-3,-0.5) 7(-3,-1) 8(-3,-1.5) 9(-3,-2) 10(-2,-3) 11(-1.5,-3) 12(-1,-3) 13(-0.5,-3) 14(0,-3) 15(0.5,-3) 16(1,-3) 17(1.5,-3) 18(2,-3) 19(3,-2) 20(3,-1.5) 21(3,-1) 22(3,-0.333) 23(3,0.334) 24(3,1) 25(3,1.5) 26(3,2) 27(2,3) 28(1.5,3) 29(1,3) 30(0.5,3) 31(0,3) 32(-0.5,3) 33(-1,3) 34(-1.5,3) 35(-2,3)
  round 0.4 smd: 36(0,0)
  Top Layer region: -2.35,2.15 -2.15,2.35 2.15,2.354 2.228,2.338 2.294,2.294 2.338,2.228 2.354,2.15 2.35,2.15 2.354,-2.15 2.338,-2.228 2.294,-2.294 2.228,-2.338 2.15,-2.354 2.15,-2.35 -2.15,-2.354 -2.228,-2.338 -2.294,-2.294 -2.338,-2.228 -2.354,-2.15 -2.35,-2.15
  Top Layer region: -1.85,3.4 -1.838,2.75 -1.885,2.635 -2,2.588 -2.115,2.635 -2.162,2.75 -2.15,2.75 -2.15,3.4
  Top Layer region: -1.35,3.4 -1.338,2.75 -1.385,2.635 -1.5,2.588 -1.615,2.635 -1.662,2.75 -1.65,2.75 -1.65,3.4
  Top Layer region: -0.85,3.4 -0.838,2.75 -0.885,2.635 -1,2.588 -1.115,2.635 -1.162,2.75 -1.15,2.75 -1.15,3.4
  Top Layer region: -0.35,3.4 -0.338,2.75 -0.385,2.635 -0.5,2.588 -0.615,2.635 -0.662,2.75 -0.65,2.75 -0.65,3.4
  Top Layer region: 0.15,3.4 0.162,2.75 0.115,2.635 0,2.588 -0.115,2.635 -0.162,2.75 -0.15,2.75 -0.15,3.4
  Top Layer region: 0.65,3.4 0.662,2.75 0.615,2.635 0.5,2.588 0.385,2.635 0.338,2.75 0.35,2.75 0.35,3.4
  Top Layer region: 1.15,3.4 1.162,2.75 1.115,2.635 1,2.588 0.885,2.635 0.838,2.75 0.85,2.75 0.85,3.4
  Top Layer region: 1.65,3.4 1.662,2.75 1.615,2.635 1.5,2.588 1.385,2.635 1.338,2.75 1.35,2.75 1.35,3.4
  Top Layer region: 2.15,3.4 2.162,2.75 2.115,2.635 2,2.588 1.885,2.635 1.838,2.75 1.85,2.75 1.85,3.4
  Top Layer region: 3.4,1.85 2.75,1.838 2.635,1.885 2.588,2 2.635,2.115 2.75,2.162 2.75,2.15 3.4,2.15
  Top Layer region: 3.4,1.35 2.75,1.338 2.635,1.385 2.588,1.5 2.635,1.615 2.75,1.662 2.75,1.65 3.4,1.65
  Top Layer region: 3.4,0.85 2.75,0.838 2.635,0.885 2.588,1 2.635,1.115 2.75,1.162 2.75,1.15 3.4,1.15
  Top Layer region: 3.4,0.184 2.75,0.172 2.635,0.219 2.588,0.334 2.635,0.449 2.75,0.496 2.75,0.484 3.4,0.484
  Top Layer region: 3.4,-0.483 2.75,-0.495 2.635,-0.448 2.588,-0.333 2.635,-0.218 2.75,-0.171 2.75,-0.183 3.4,-0.183
  Top Layer region: 3.4,-1.15 2.75,-1.162 2.635,-1.115 2.588,-1 2.635,-0.885 2.75,-0.838 2.75,-0.85 3.4,-0.85
  Top Layer region: 3.4,-1.65 2.75,-1.662 2.635,-1.615 2.588,-1.5 2.635,-1.385 2.75,-1.338 2.75,-1.35 3.4,-1.35
  Top Layer region: 3.4,-2.15 2.75,-2.162 2.635,-2.115 2.588,-2 2.635,-1.885 2.75,-1.838 2.75,-1.85 3.4,-1.85
  Top Layer region: 1.85,-3.4 1.838,-2.75 1.885,-2.635 2,-2.588 2.115,-2.635 2.162,-2.75 2.15,-2.75 2.15,-3.4
  Top Layer region: 1.35,-3.4 1.338,-2.75 1.385,-2.635 1.5,-2.588 1.615,-2.635 1.662,-2.75 1.65,-2.75 1.65,-3.4
  Top Layer region: 0.85,-3.4 0.838,-2.75 0.885,-2.635 1,-2.588 1.115,-2.635 1.162,-2.75 1.15,-2.75 1.15,-3.4
  Top Layer region: 0.35,-3.4 0.338,-2.75 0.385,-2.635 0.5,-2.588 0.615,-2.635 0.662,-2.75 0.65,-2.75 0.65,-3.4
  Top Layer region: -0.15,-3.4 -0.162,-2.75 -0.115,-2.635 0,-2.588 0.115,-2.635 0.162,-2.75 0.15,-2.75 0.15,-3.4
  Top Layer region: -0.65,-3.4 -0.662,-2.75 -0.615,-2.635 -0.5,-2.588 -0.385,-2.635 -0.338,-2.75 -0.35,-2.75 -0.35,-3.4
  Top Layer region: -1.15,-3.4 -1.162,-2.75 -1.115,-2.635 -1,-2.588 -0.885,-2.635 -0.838,-2.75 -0.85,-2.75 -0.85,-3.4
  Top Layer region: -1.65,-3.4 -1.662,-2.75 -1.615,-2.635 -1.5,-2.588 -1.385,-2.635 -1.338,-2.75 -1.35,-2.75 -1.35,-3.4
  Top Layer region: -2.15,-3.4 -2.162,-2.75 -2.115,-2.635 -2,-2.588 -1.885,-2.635 -1.838,-2.75 -1.85,-2.75 -1.85,-3.4
  Top Layer region: -3.4,-1.85 -2.75,-1.838 -2.635,-1.885 -2.588,-2 -2.635,-2.115 -2.75,-2.162 -2.75,-2.15 -3.4,-2.15
  Top Layer region: -3.4,-1.35 -2.75,-1.338 -2.635,-1.385 -2.588,-1.5 -2.635,-1.615 -2.75,-1.662 -2.75,-1.65 -3.4,-1.65
  Top Layer region: -3.4,-0.85 -2.75,-0.838 -2.635,-0.885 -2.588,-1 -2.635,-1.115 -2.75,-1.162 -2.75,-1.15 -3.4,-1.15
  Top Layer region: -3.4,-0.35 -2.75,-0.338 -2.635,-0.385 -2.588,-0.5 -2.635,-0.615 -2.75,-0.662 -2.75,-0.65 -3.4,-0.65
  Top Layer region: -3.4,0.15 -2.75,0.162 -2.635,0.115 -2.588,0 -2.635,-0.115 -2.75,-0.162 -2.75,-0.15 -3.4,-0.15
  Top Layer region: -3.4,0.65 -2.75,0.662 -2.635,0.615 -2.588,0.5 -2.635,0.385 -2.75,0.338 -2.75,0.35 -3.4,0.35
  Top Layer region: -3.4,1.15 -2.75,1.162 -2.635,1.115 -2.588,1 -2.635,0.885 -2.75,0.838 -2.75,0.85 -3.4,0.85
  Top Layer region: -3.4,1.65 -2.75,1.662 -2.635,1.615 -2.588,1.5 -2.635,1.385 -2.75,1.338 -2.75,1.35 -3.4,1.35
  Top Layer region: -3.4,2.15 -2.75,2.162 -2.635,2.115 -2.588,2 -2.635,1.885 -2.75,1.838 -2.75,1.85 -3.4,1.85
  silkscreen extent -3.05,-3.53 4.27,3.05
SMD_SOIC127P600X110-9AN [mm]
  oval 1.4x0.6 smd mask+0.075: 1(-2.8,1.905) 2(-2.8,0.635) 3(-2.8,-0.635) 4(-2.8,-1.905) 5(2.8,-1.905) 6(2.8,-0.635) 7(2.8,0.635) 8(2.8,1.905)
  Top Layer region: -1.35,2.7 -0.15,2.7 -0.15,2.2 2.4,2.2 2.4,-2.2 -0.15,-2.2 -0.15,-2.7 -1.35,-2.7 -1.35,2.7
  body extent -3.2,-2.45 3.2,2.45, height 1.1
SMD_SOIC127P600X175-8N [mm]
  oval 1.55x0.6 smd mask+0.075: 1(-2.7,1.905) 2(-2.7,0.635) 3(-2.7,-0.635) 4(-2.7,-1.905) 5(2.7,-1.905) 6(2.7,-0.635) 7(2.7,0.635) 8(2.7,1.905)
  silkscreen extent -3.5,-2.55 2.05,2.55, body extent -3,-2.5 3,2.5, height 1.75
SMD_SOIC127P600X175-14N [mm]
  oval 1.55x0.6 smd mask+0.075: 1(-2.7,3.81) 2(-2.7,2.54) 3(-2.7,1.27) 4(-2.7,0) 5(-2.7,-1.27) 6(-2.7,-2.54) 7(-2.7,-3.81) 8(2.7,-3.81) 9(2.7,-2.54) 10(2.7,-1.27) 11(2.7,0) 12(2.7,1.27) 13(2.7,2.54) 14(2.7,3.81)
  silkscreen extent -3.5,-4.45 2.05,4.45, body extent -3,-4.32 3,4.33, height 1.75
SMD_SOIC127P1030X265-20N [mm]
  oval 2x0.6 smd mask+0.075: 1(-4.65,5.715) 2(-4.65,4.445) 3(-4.65,3.175) 4(-4.65,1.905) 5(-4.65,0.635) 6(-4.65,-0.635) 7(-4.65,-1.905) 8(-4.65,-3.175) 9(-4.65,-4.445) 10(-4.65,-5.715) 11(4.65,-5.715) 12(4.65,-4.445) 13(4.65,-3.175) 14(4.65,-1.905) 15(4.65,-0.635) 16(4.65,0.635) 17(4.65,1.905) 18(4.65,3.175) 19(4.65,4.445) 20(4.65,5.715)
  silkscreen extent -5.65,-6.5 3.8,6.5, body extent -5.16,-6.4 5.16,6.4, height 2.65
SMD_SON40P330X330X100-17N [mm]
  round 0.2 smd mask-0.1: 1(-1.65,1.4) 2(-1.65,1) 3(-1.65,0.6) 4(-1.65,0.2) 5(-1.65,-0.2) 6(-1.65,-0.6) 7(-1.65,-1) 8(-1.65,-1.4) 9(1.65,-1.4) 10(1.65,-1) 11(1.65,-0.6) 12(1.65,-0.2) 13(1.65,0.2) 14(1.65,0.6) 15(1.65,1) 16(1.65,1.4)
  round 0.4 smd: 17(0,0)
  Top Layer region: -1,1.225 -0.8,1.425 0.8,1.429 0.878,1.413 0.944,1.369 0.988,1.303 1.004,1.225 1,1.225 1.004,-1.225 0.988,-1.303 0.944,-1.369 0.878,-1.413 0.8,-1.429 0.8,-1.425 -0.8,-1.429 -0.878,-1.413 -0.944,-1.369 -0.988,-1.303 -1.004,-1.225 -1,-1.225 -1,1.225
  Top Layer region: 2.05,1.3 1.35,1.292 1.273,1.323 1.242,1.4 1.273,1.477 1.35,1.508 1.35,1.5 2.05,1.5 2.05,1.3
  Top Layer region: 2.05,0.9 1.35,0.892 1.273,0.923 1.242,1 1.273,1.077 1.35,1.108 1.35,1.1 2.05,1.1 2.05,0.9
  Top Layer region: 2.05,0.5 1.35,0.492 1.273,0.523 1.242,0.6 1.273,0.677 1.35,0.708 1.35,0.7 2.05,0.7 2.05,0.5
  Top Layer region: 2.05,0.1 1.35,0.092 1.273,0.123 1.242,0.2 1.273,0.277 1.35,0.308 1.35,0.3 2.05,0.3 2.05,0.1
  Top Layer region: 2.05,-0.3 1.35,-0.308 1.273,-0.277 1.242,-0.2 1.273,-0.123 1.35,-0.092 1.35,-0.1 2.05,-0.1 2.05,-0.3
  Top Layer region: 2.05,-0.7 1.35,-0.708 1.273,-0.677 1.242,-0.6 1.273,-0.523 1.35,-0.492 1.35,-0.5 2.05,-0.5 2.05,-0.7
  Top Layer region: 2.05,-1.1 1.35,-1.108 1.273,-1.077 1.242,-1 1.273,-0.923 1.35,-0.892 1.35,-0.9 2.05,-0.9 2.05,-1.1
  Top Layer region: 2.05,-1.5 1.35,-1.508 1.273,-1.477 1.242,-1.4 1.273,-1.323 1.35,-1.292 1.35,-1.3 2.05,-1.3 2.05,-1.5
  Top Layer region: -2.05,-1.3 -1.35,-1.292 -1.273,-1.323 -1.242,-1.4 -1.273,-1.477 -1.35,-1.508 -1.35,-1.5 -2.05,-1.5 -2.05,-1.3
  Top Layer region: -2.05,-0.9 -1.35,-0.892 -1.273,-0.923 -1.242,-1 -1.273,-1.077 -1.35,-1.108 -1.35,-1.1 -2.05,-1.1 -2.05,-0.9
  Top Layer region: -2.05,-0.5 -1.35,-0.492 -1.273,-0.523 -1.242,-0.6 -1.273,-0.677 -1.35,-0.708 -1.35,-0.7 -2.05,-0.7 -2.05,-0.5
  Top Layer region: -2.05,-0.1 -1.35,-0.092 -1.273,-0.123 -1.242,-0.2 -1.273,-0.277 -1.35,-0.308 -1.35,-0.3 -2.05,-0.3 -2.05,-0.1
  Top Layer region: -2.05,0.3 -1.35,0.308 -1.273,0.277 -1.242,0.2 -1.273,0.123 -1.35,0.092 -1.35,0.1 -2.05,0.1 -2.05,0.3
  Top Layer region: -2.05,0.7 -1.35,0.708 -1.273,0.677 -1.242,0.6 -1.273,0.523 -1.35,0.492 -1.35,0.5 -2.05,0.5 -2.05,0.7
  Top Layer region: -2.05,1.1 -1.35,1.108 -1.273,1.077 -1.242,1 -1.273,0.923 -1.35,0.892 -1.35,0.9 -2.05,0.9 -2.05,1.1
  Top Layer region: -2.05,1.5 -1.35,1.508 -1.273,1.477 -1.242,1.4 -1.273,1.323 -1.35,1.292 -1.35,1.3 -2.05,1.3 -2.05,1.5
  silkscreen extent -2.57,-1.65 1,1.65
SMD_SOT457_SOT95P275X110-6N [mm]
  rrect80% 1.45x0.5 smd mask+0.075: 1(-1.15,0.95) 2(-1.15,0) 3(-1.15,-0.95) 4(1.15,-0.95) 5(1.15,0) 6(1.15,0.95)
  silkscreen extent -1.9,-1.6 0.85,1.6, body extent -1.37,-1.45 1.38,1.45, height 1.1
SMD_TP_100-254 [mm]
  round 1 smd paste-0.55 mask+0.075: 1(0,0)
  silkscreen extent -0.82,-0.82 0.82,0.82, body extent -0.5,-0.5 0.5,0.5, height 0.05
SMT_INDM135130X800N [mm]
  rrect9% 4.35x5.1 smd mask+0.075: 1(-5.125,0) 2(5.125,0)
  silkscreen extent -6.73,-6.48 6.73,6.48, body extent -6.26,-6.25 6.26,6.25, height 8